# Altium PCB mod_duo_x_g3399.PcbDoc (part 1 of 2)
Units mm, origin at the board's own origin, x right, y up, seen from the top; angles counter-clockwise.
Board outline 76 x 68 mm, 4 copper layers (Top Layer, VCC, GND, Bottom Layer), stack 1.37 mm thick; 34 components, 85 nets, 409 pads, 280 vias.
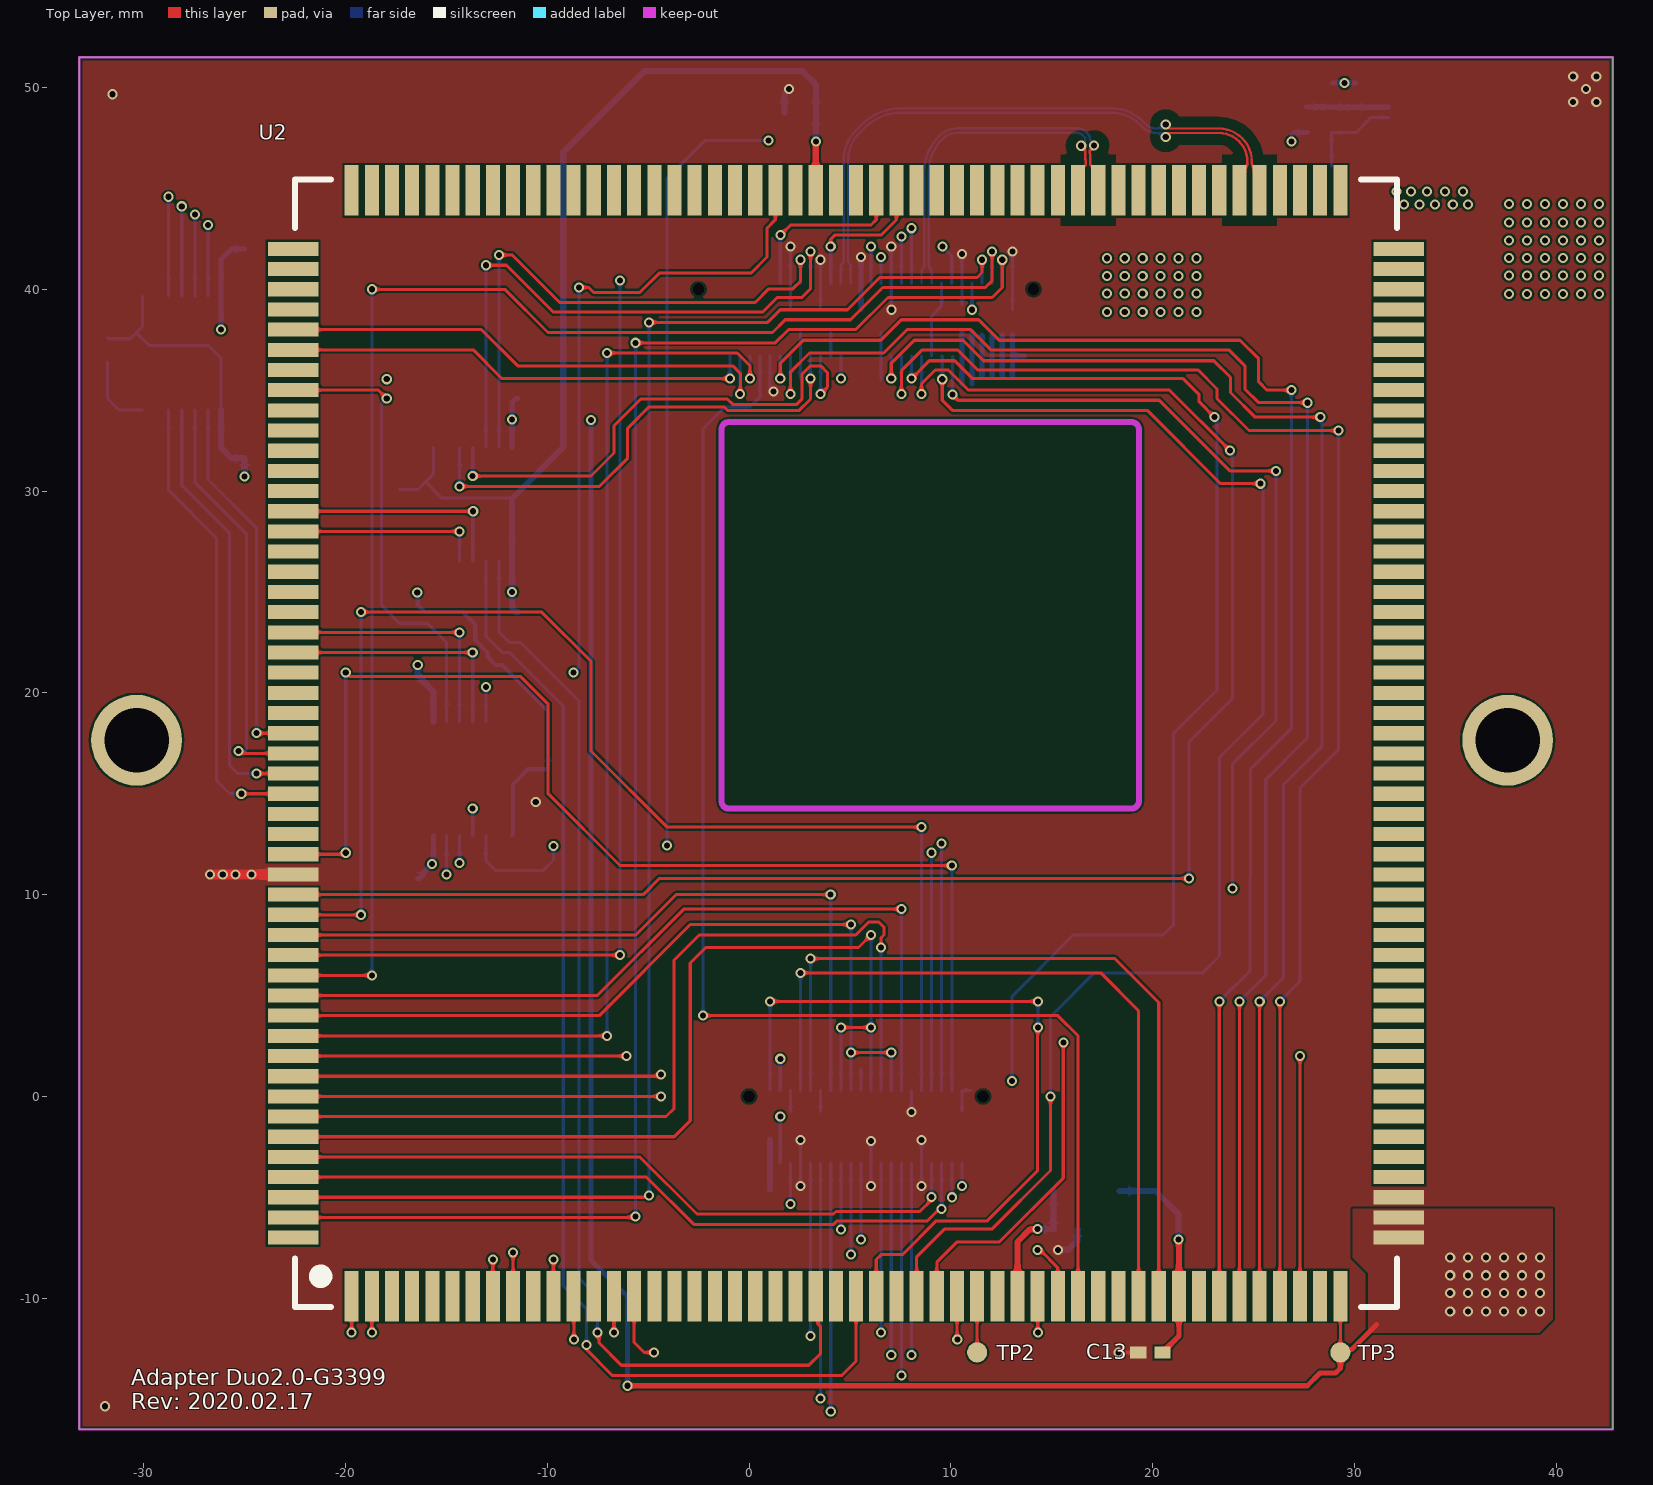
[diagram p0: Top Layer view]
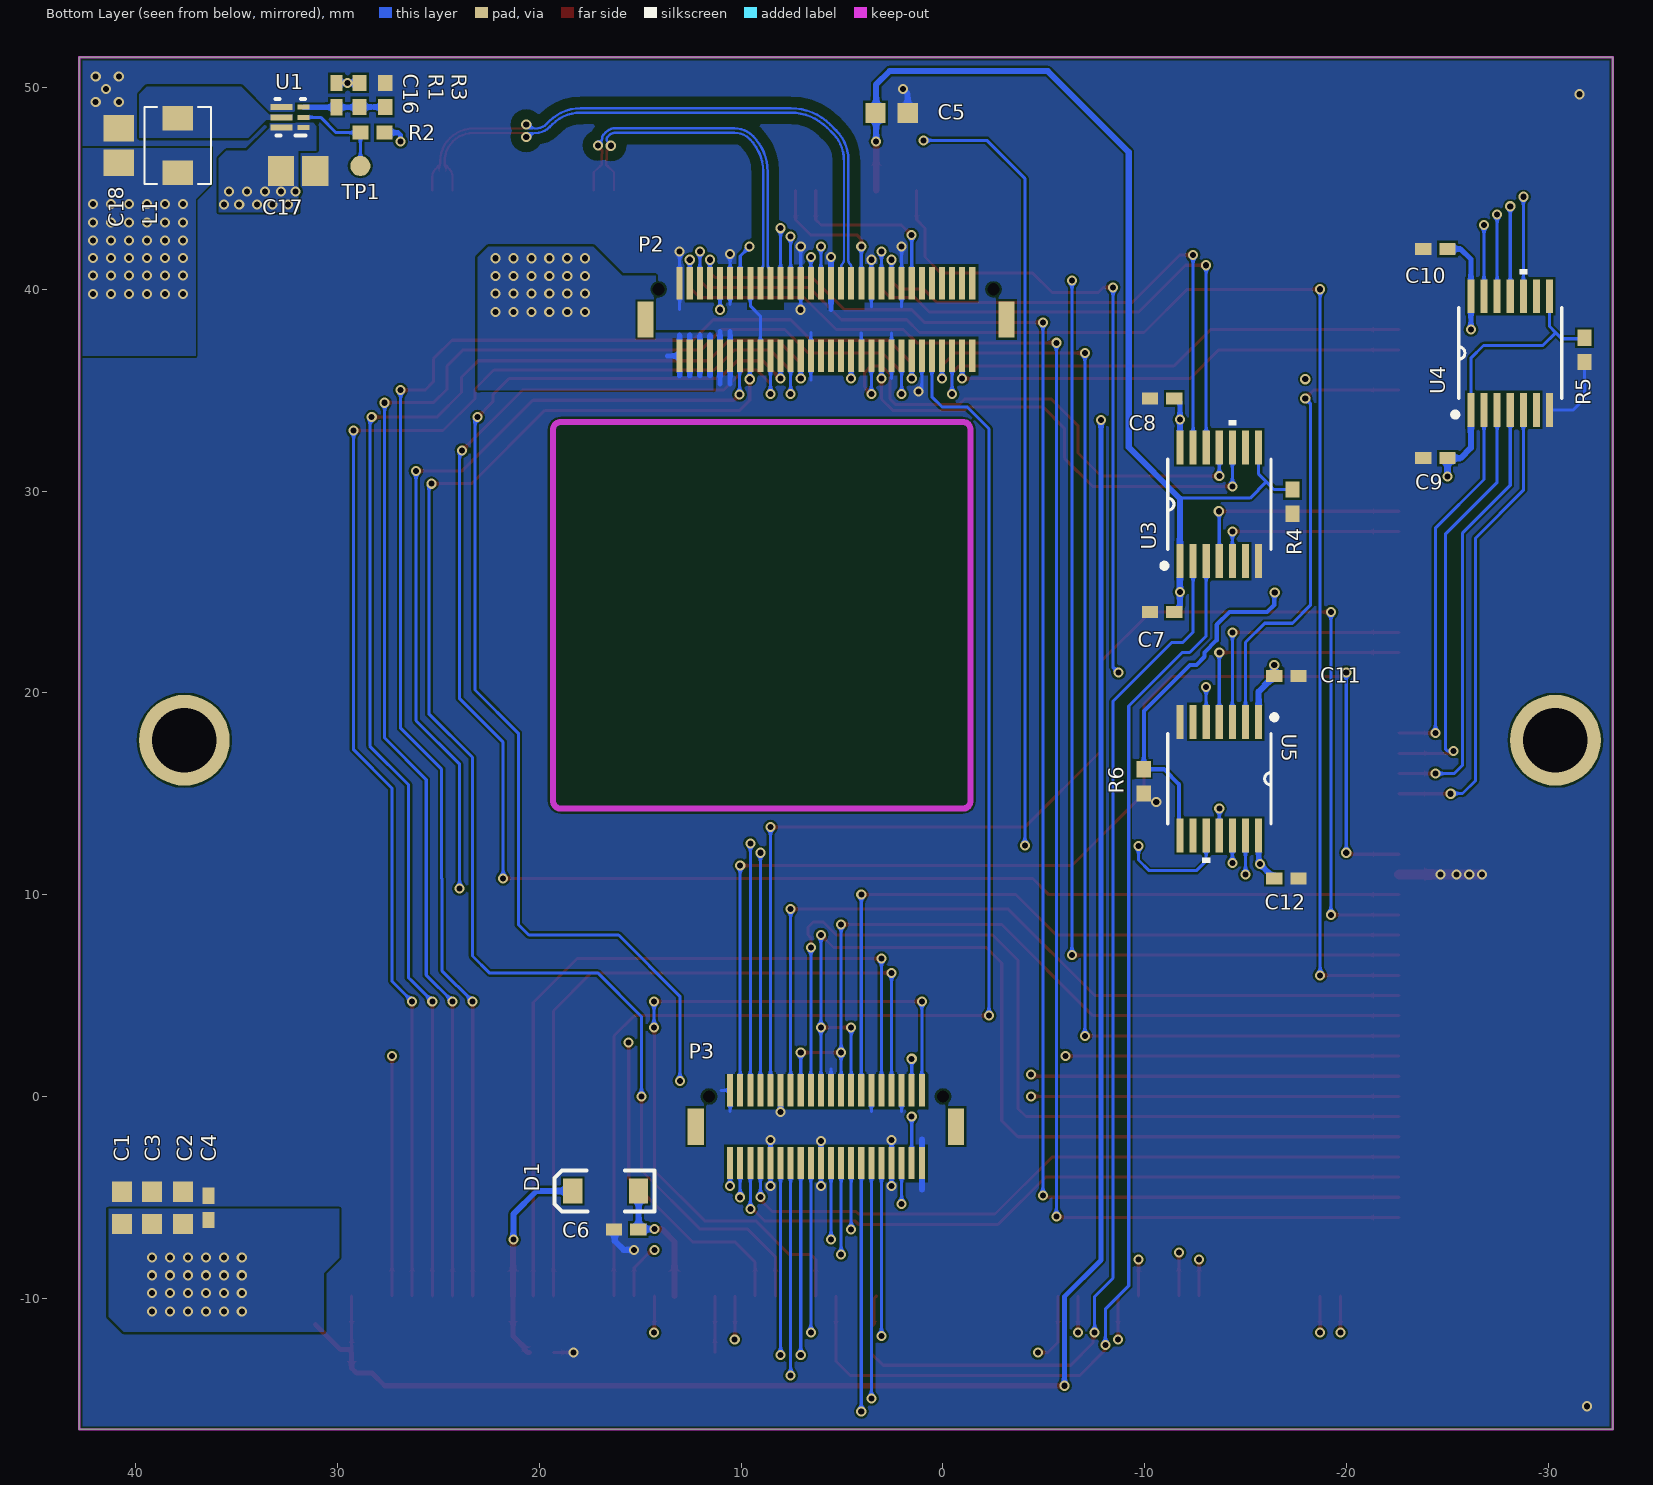
[diagram p1: Bottom Layer view, seen from below]
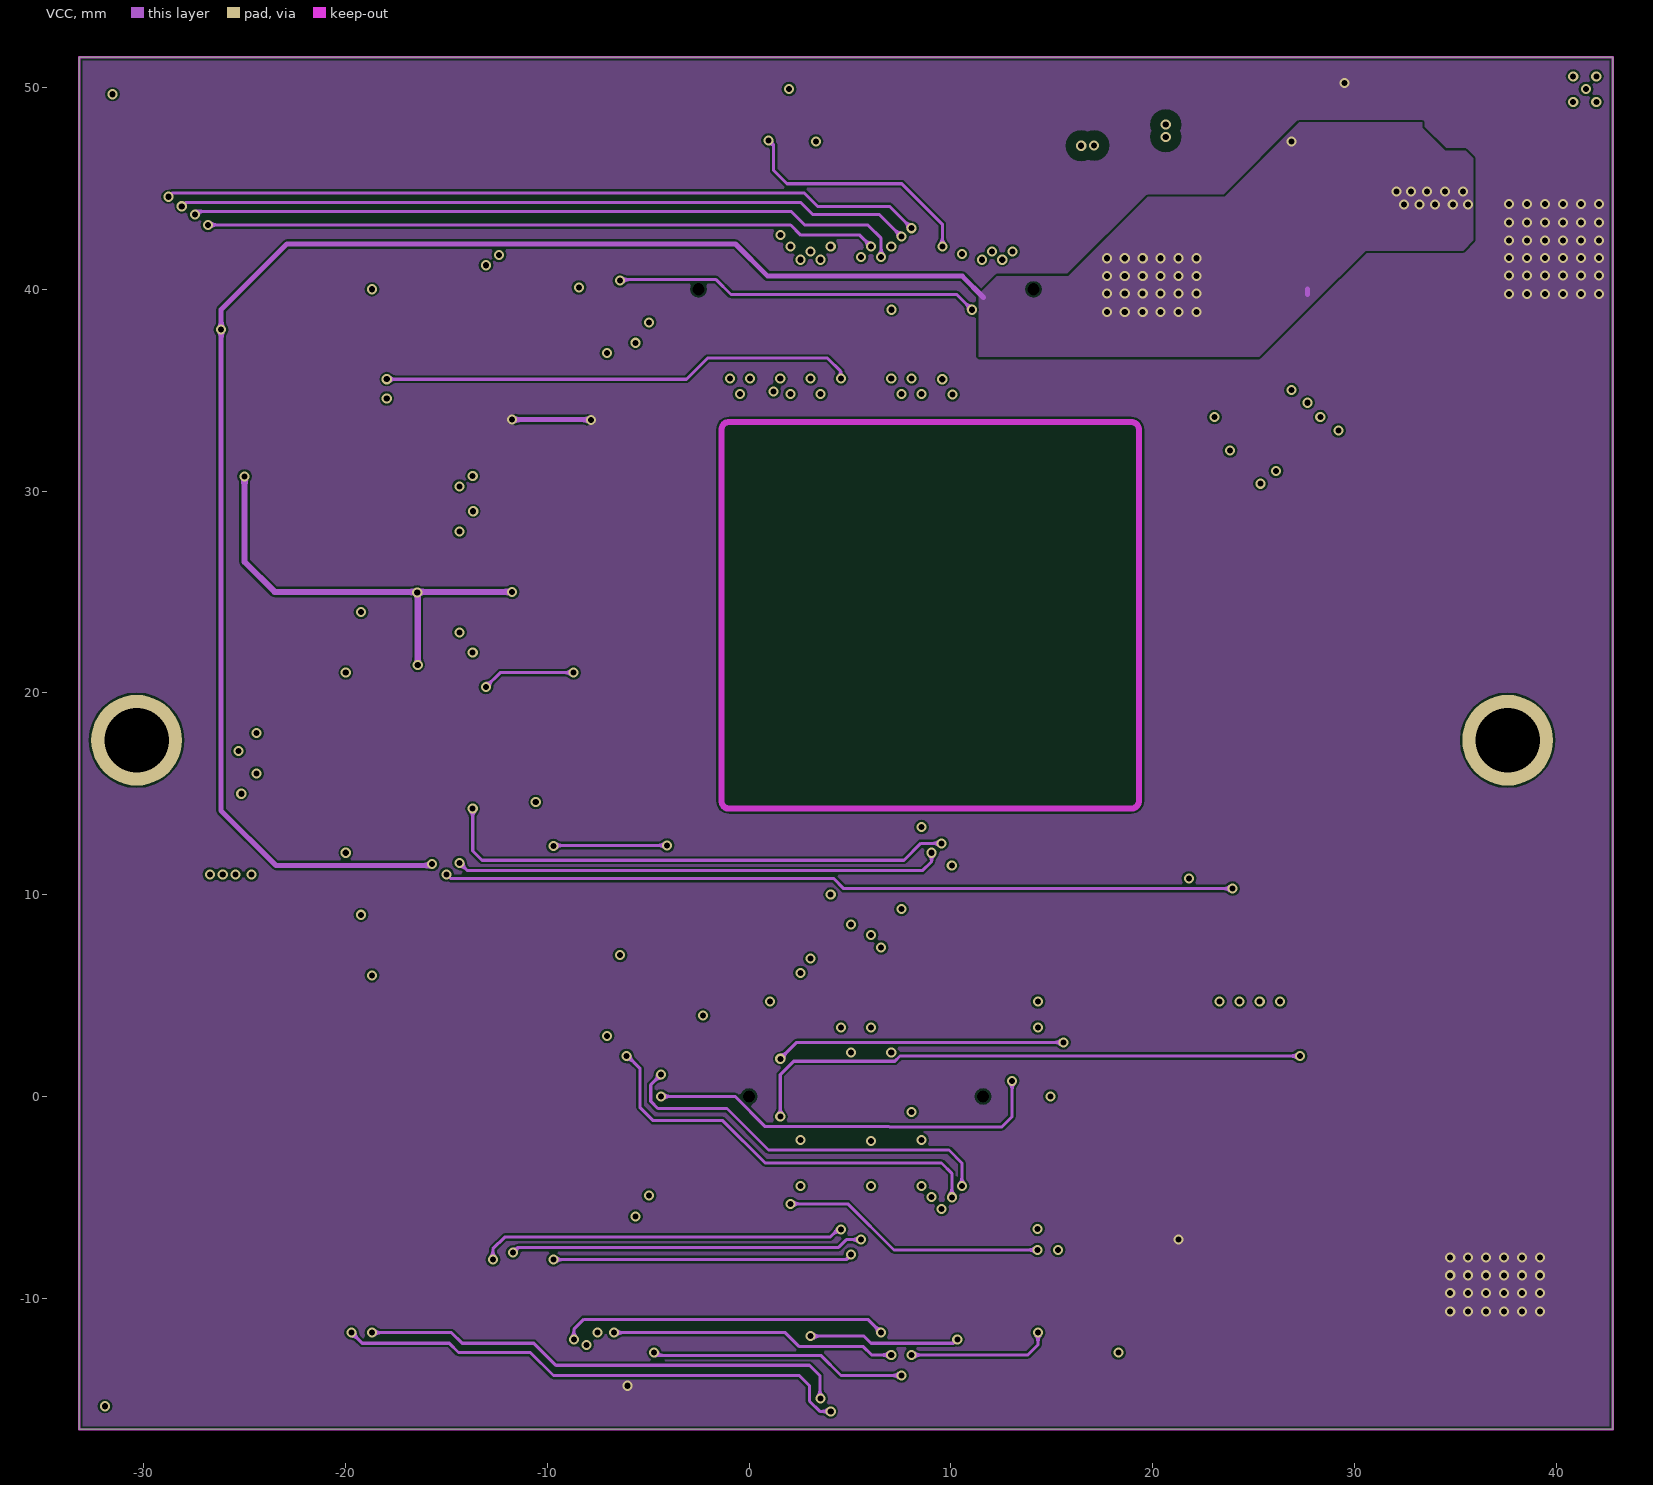
[diagram p2: VCC]
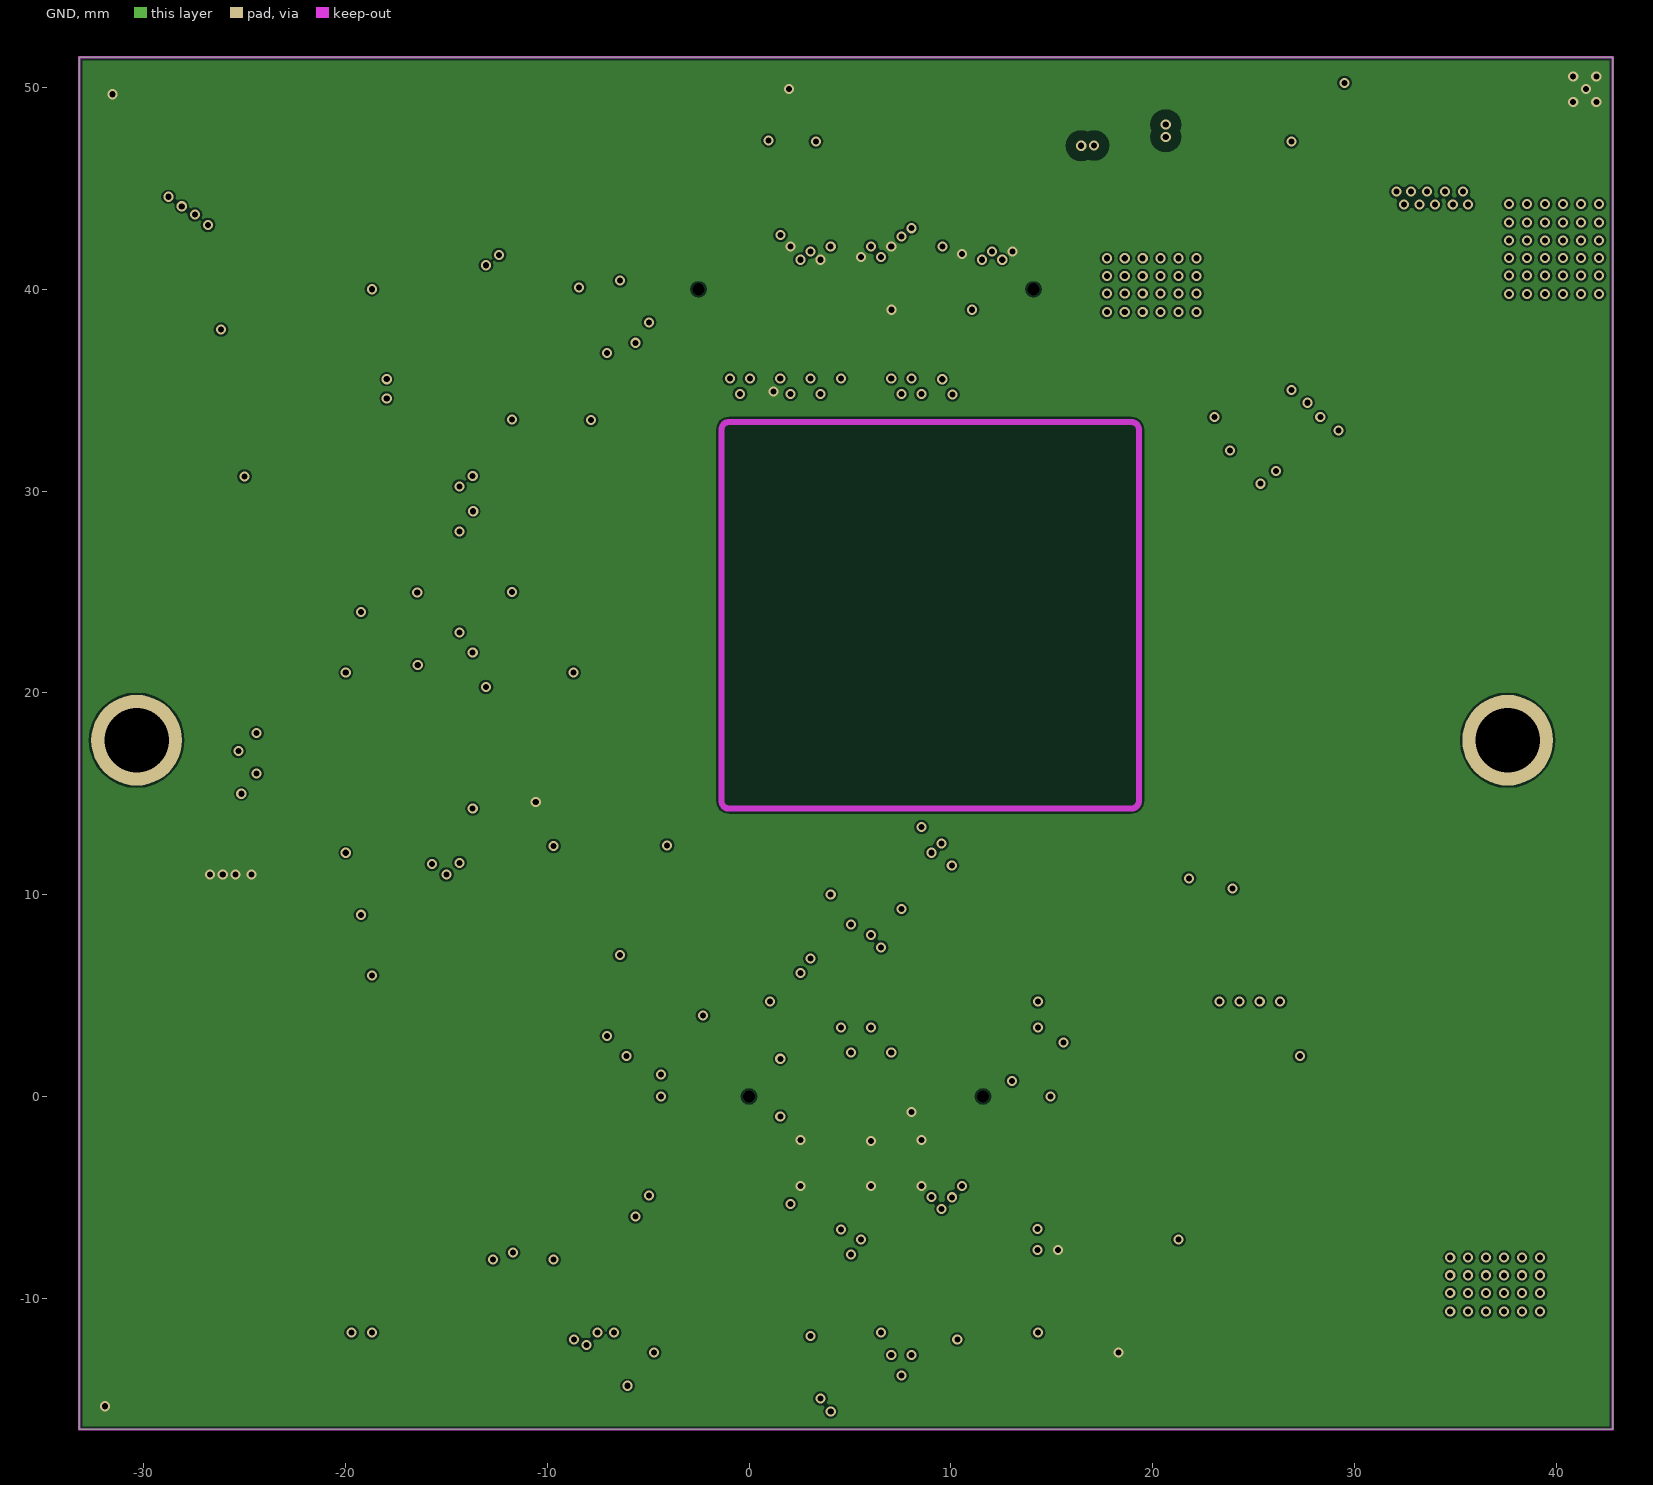
[diagram p3: GND]
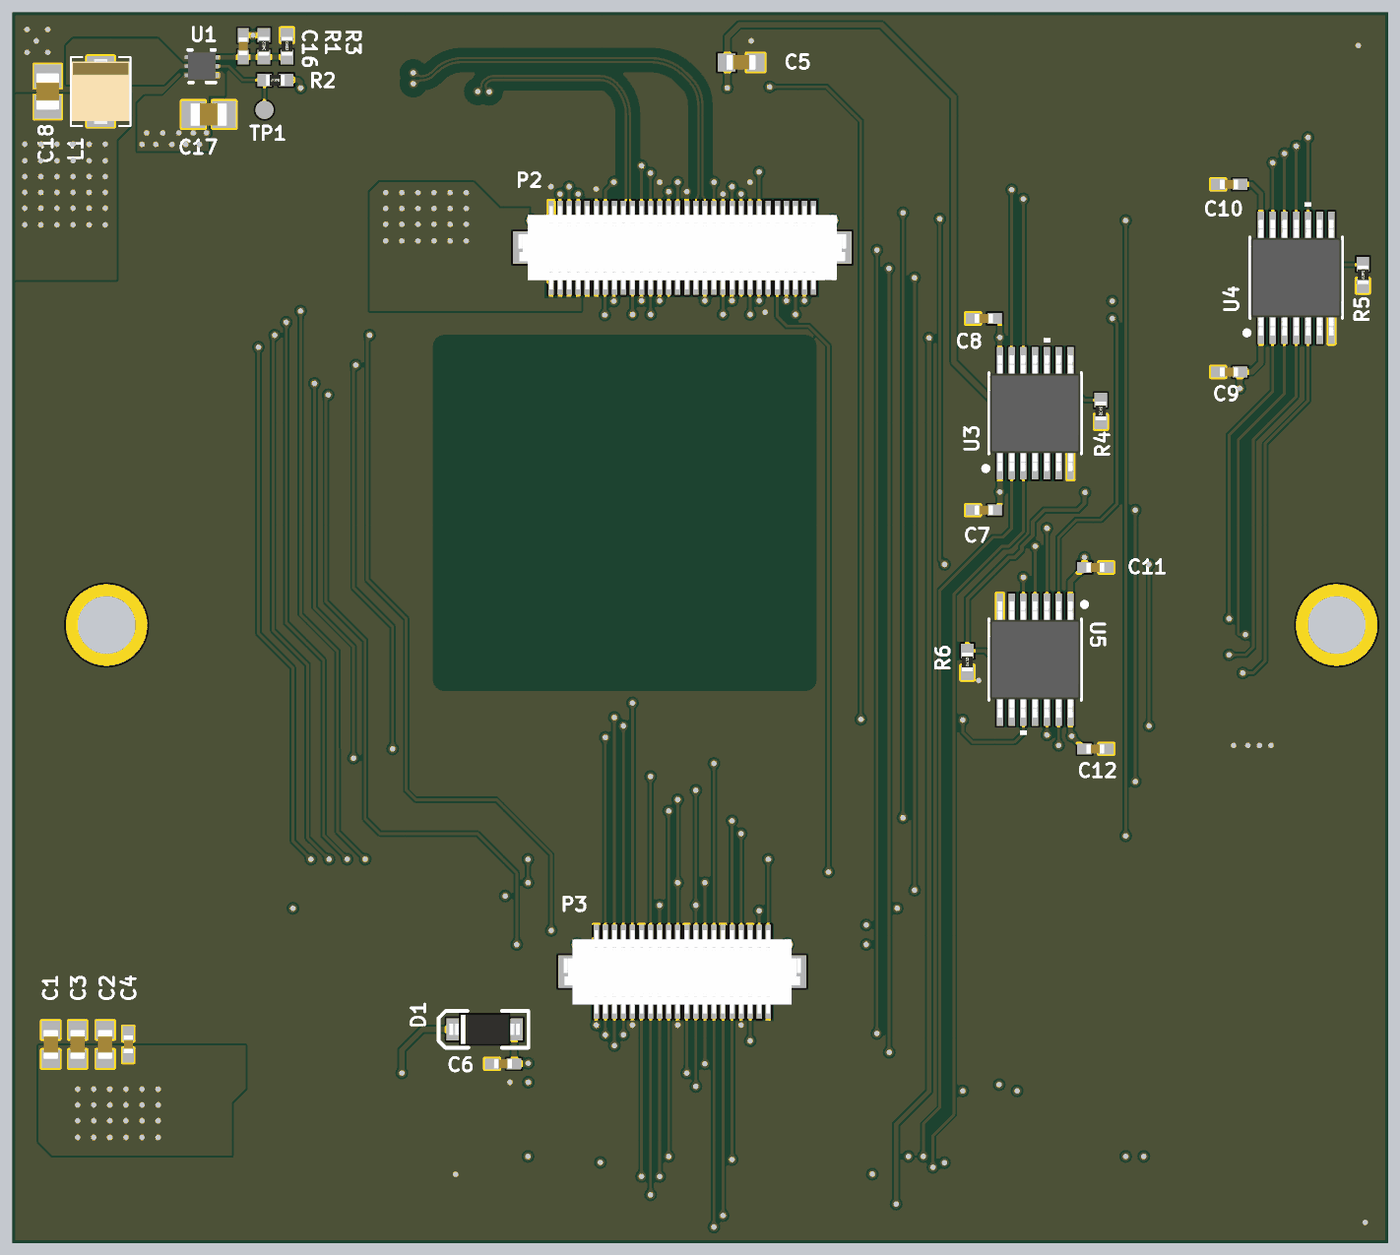
[diagram p5: 3D render of the assembled board from below, using the file's embedded part models]

## Layer stack, top to bottom
Top Solder: solder mask 0.0203, Solder Resist, Dk 3.8
Top Layer: signal copper 0.035
Dielectric 1: core 0.1, FR-4, Dk 4.05
VCC: signal copper 0.0175
Dielectric 3: prepreg 1.065, Dk 4.2
GND: signal copper 0.0175
Dielectric 2: core 0.1, Dk 4.05
Bottom Layer: signal copper 0.035
Bottom Solder: solder mask 0.02, Solder Resist, Dk 3.8

## Board outline
-33.193,-16.501 42.807,-16.501 42.807,51.499 -33.193,51.499
cut-out: -1.365,14.641 ccw(c-0.984,14.641) -0.984,14.26 cw(c-0.984,14.641)
cut-out: -1.365,14.641 ccw(c-0.984,14.641) -0.984,14.26 cw(c-0.984,14.641)
cut-out: -1.365,14.641 ccw(c-0.984,14.641) -0.984,14.26 cw(c-0.984,14.641)
